# Altium PCB PCB1.PcbDoc (part 1 of 2) (continued)
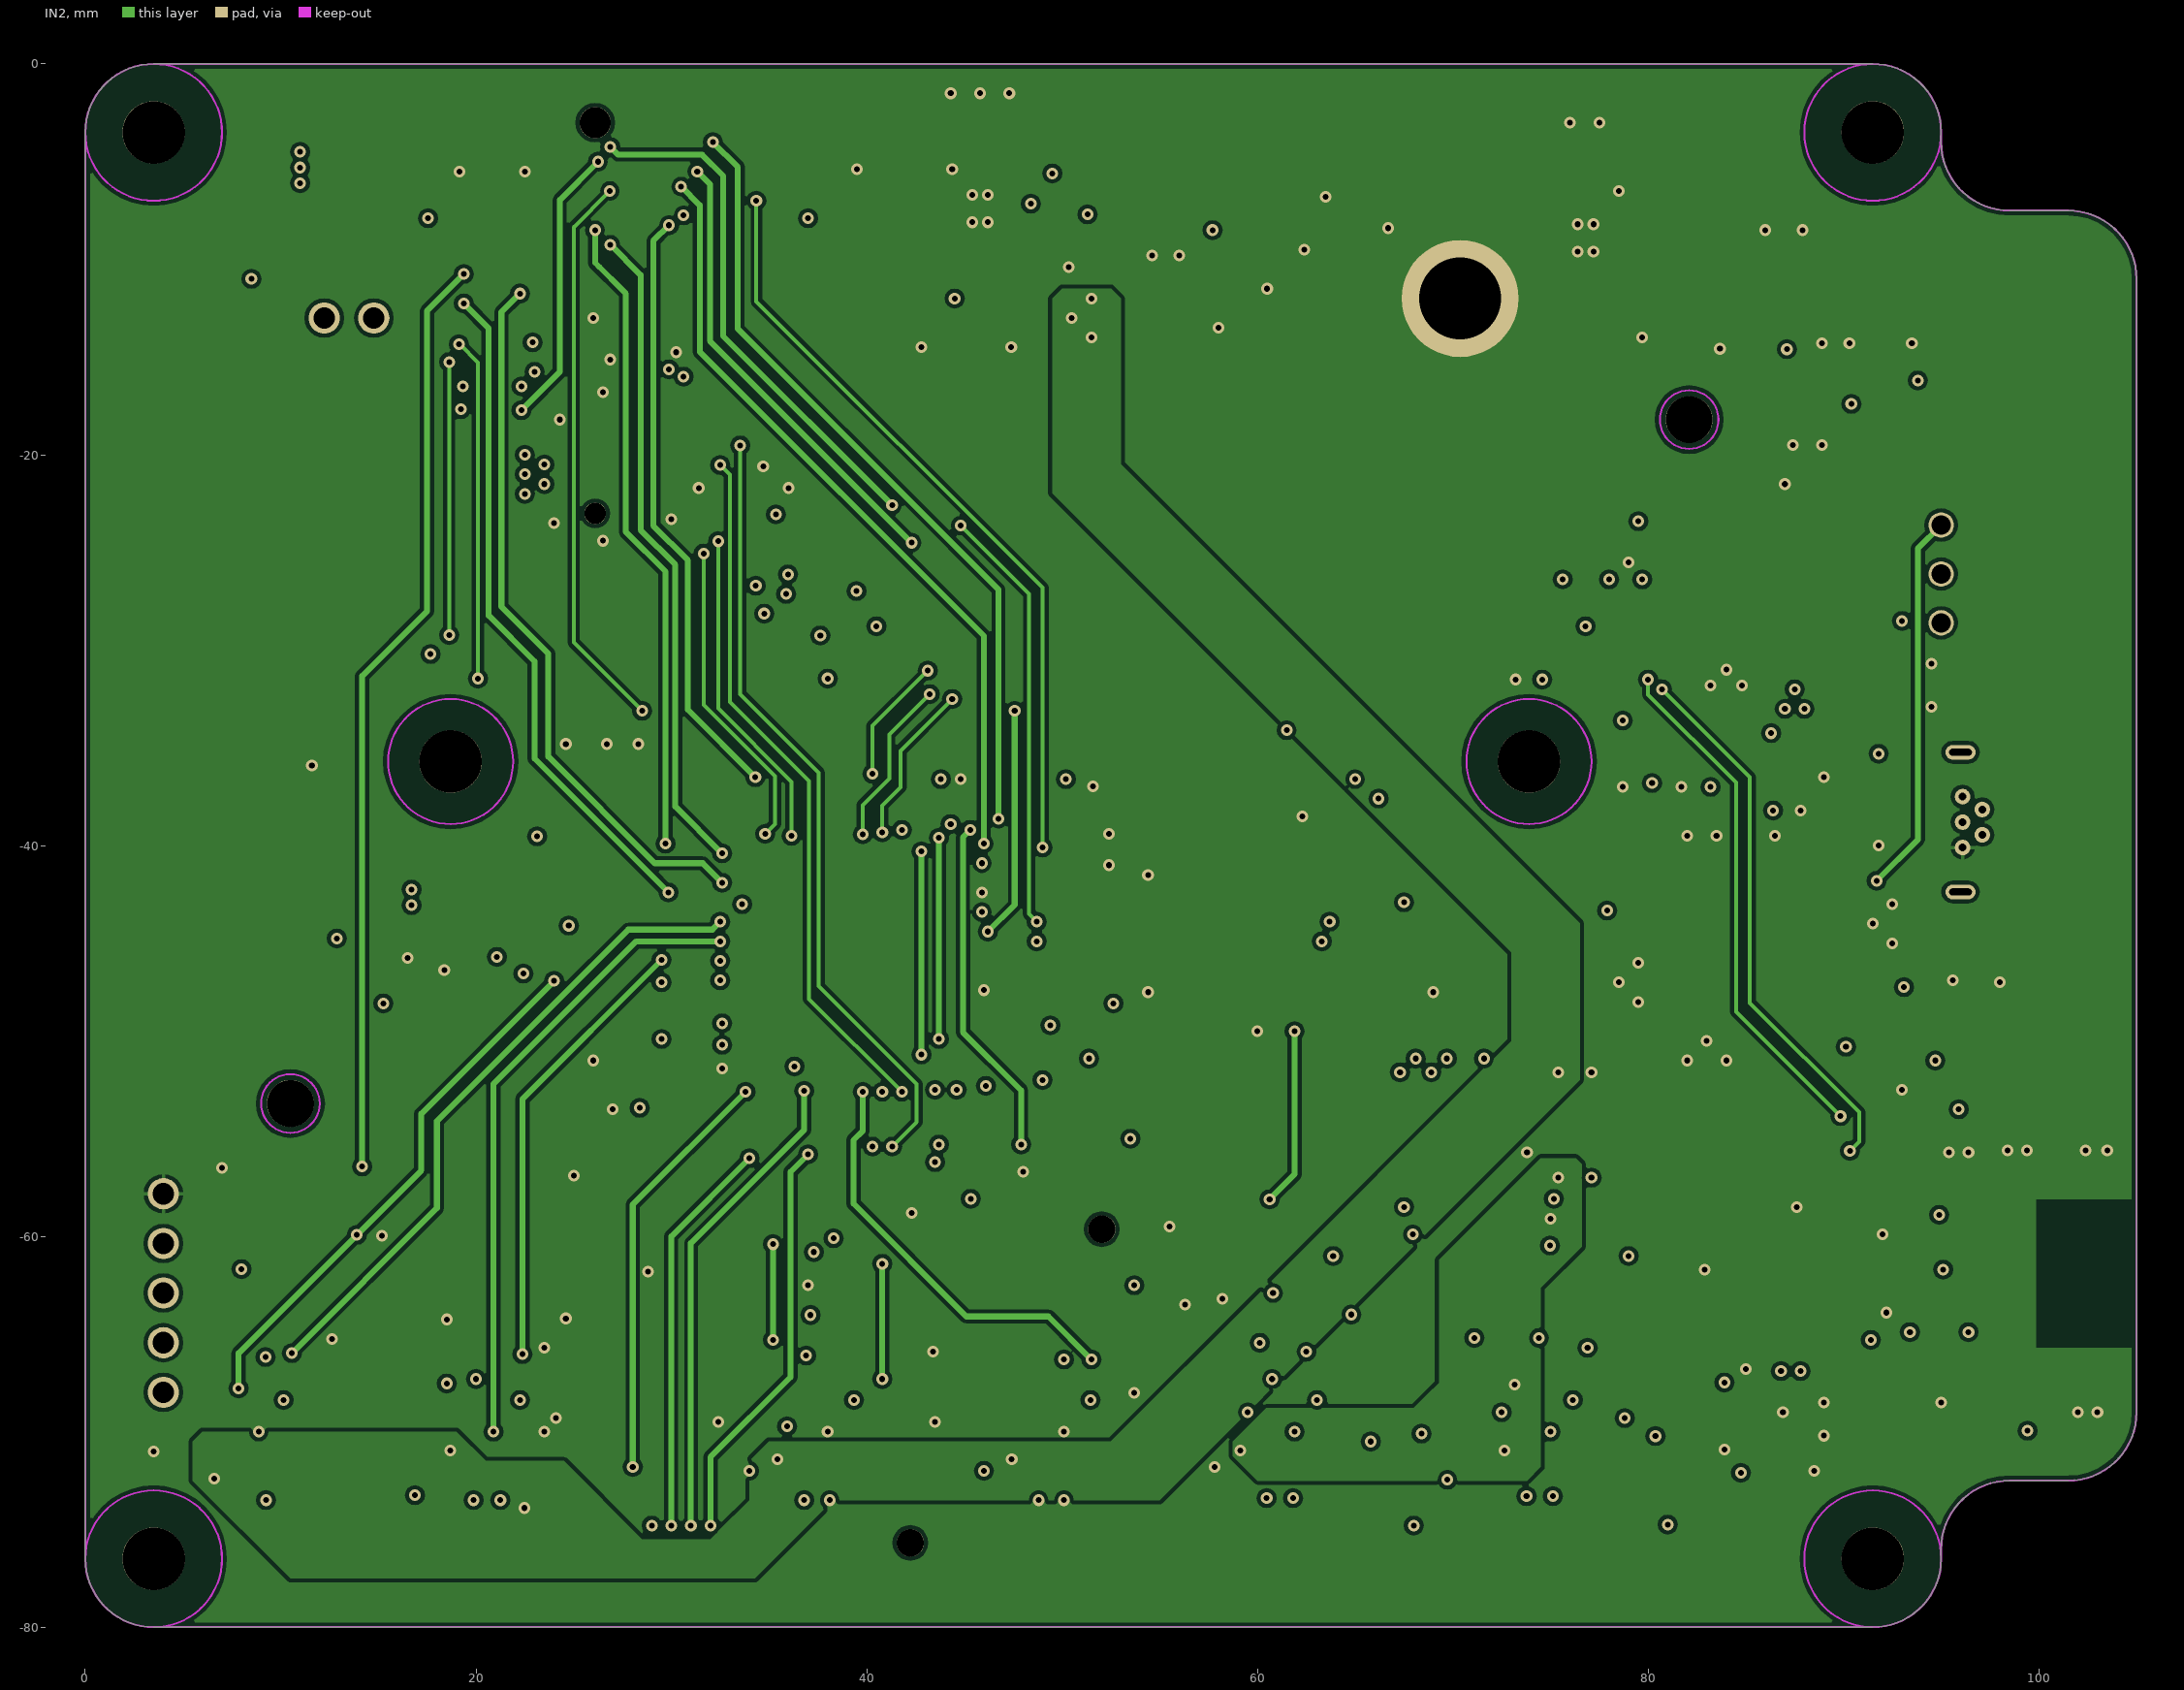
[diagram p3: IN2]
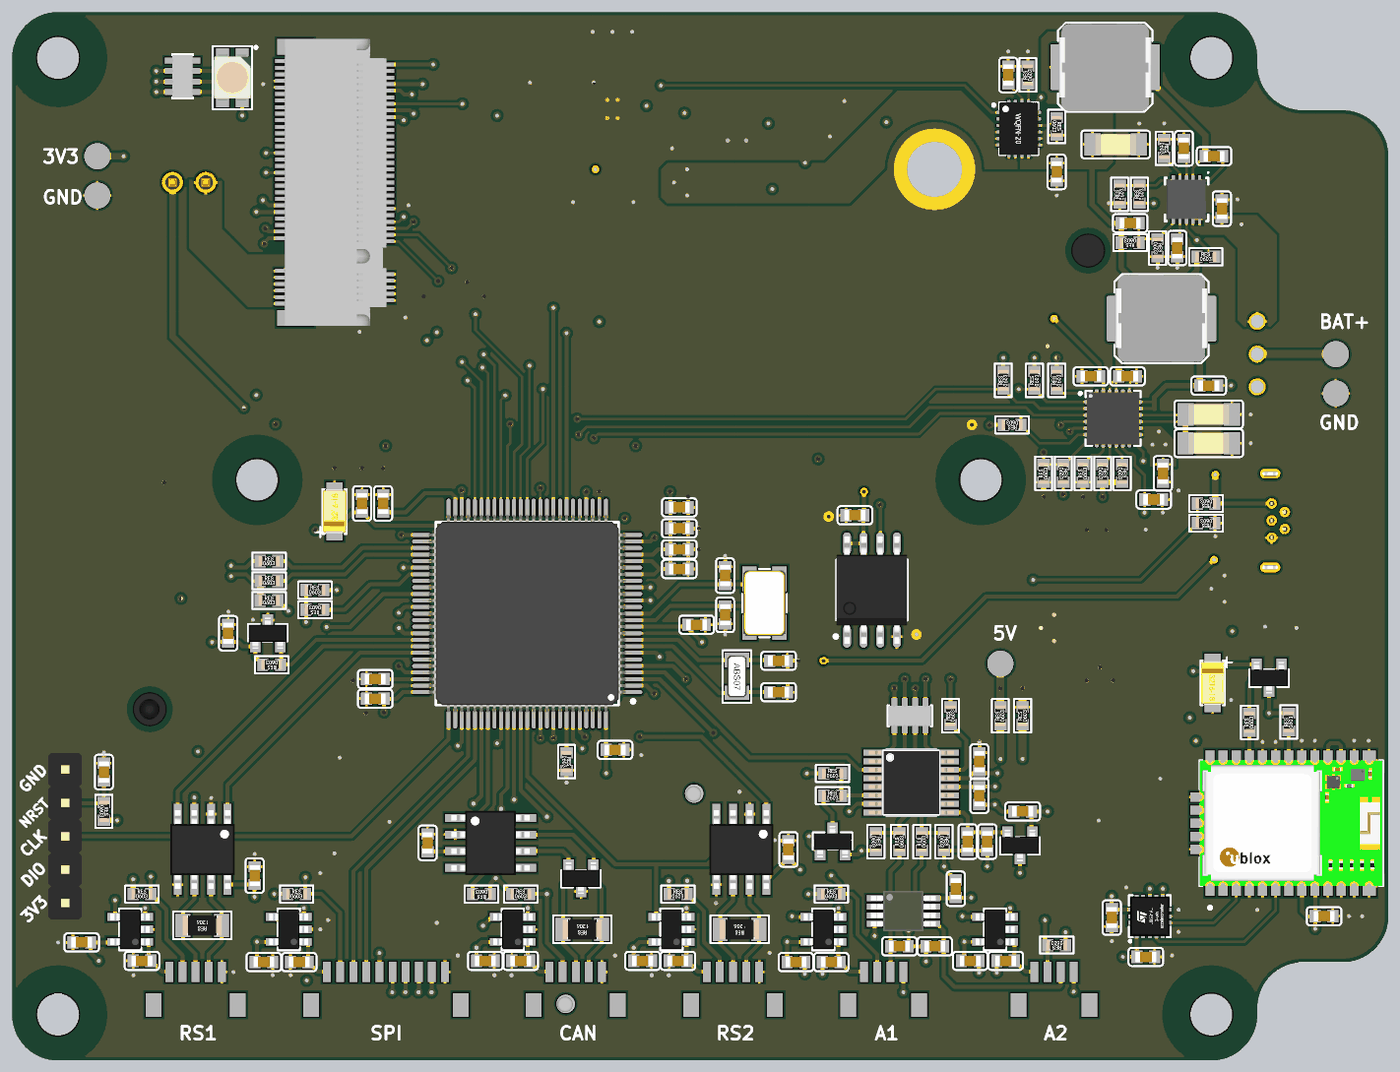
[diagram p5: 3D render of the assembled board from above, using the file's embedded part models]
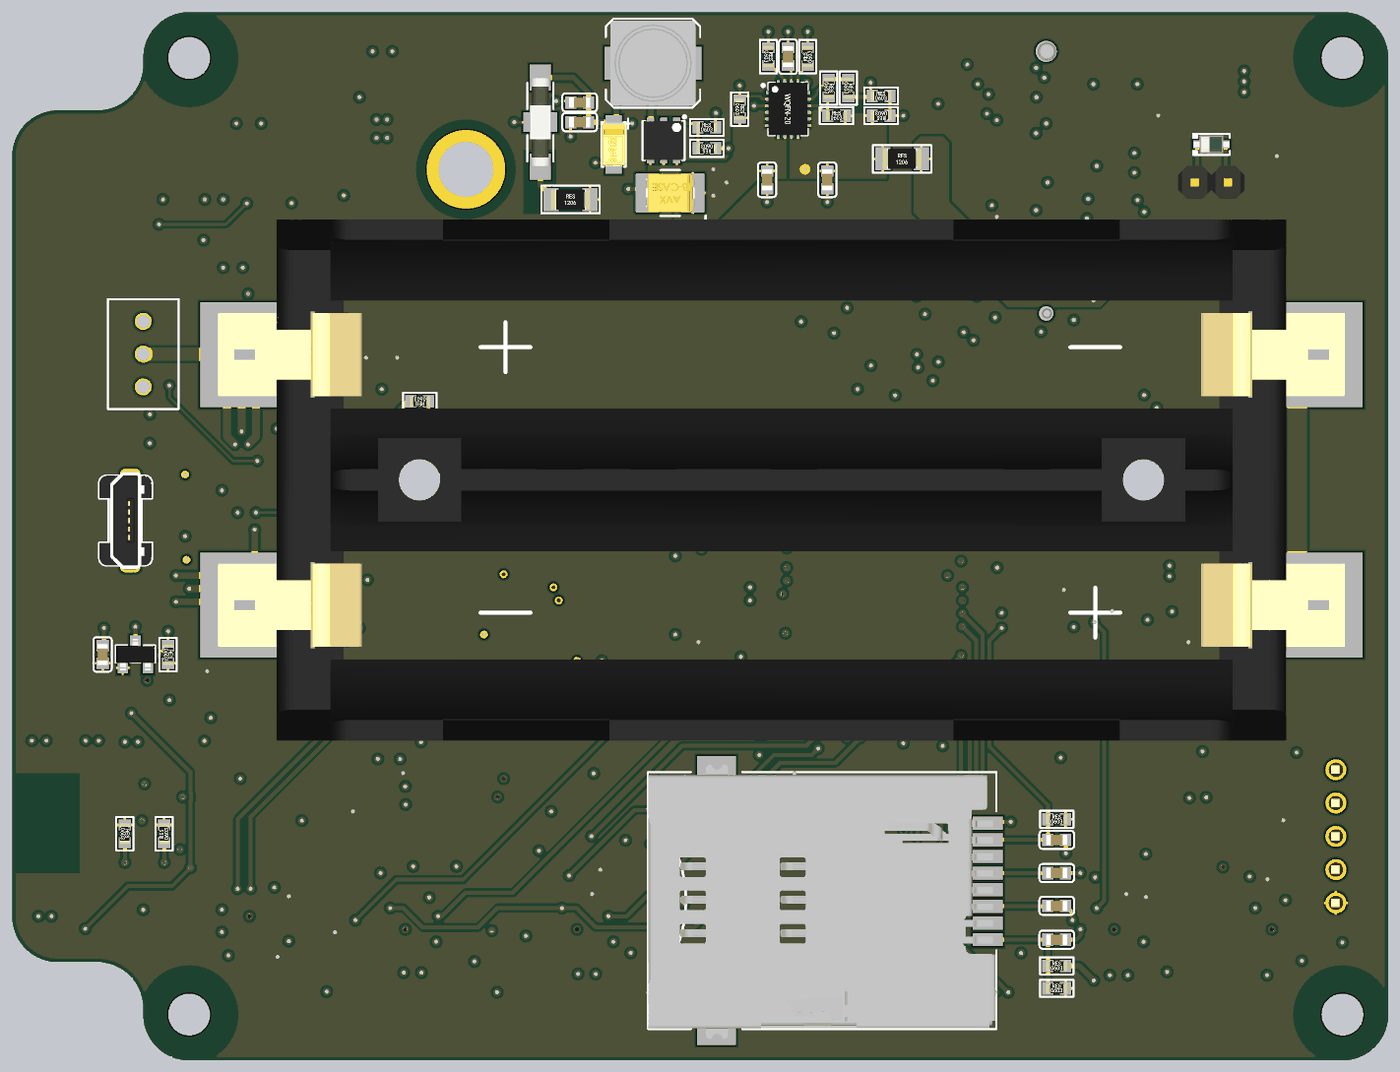
[diagram p6: 3D render of the assembled board from below, using the file's embedded part models]

## Layer stack, top to bottom
Top Solder: solder mask 0.01, Solder Resist, Dk 3.5
Top Layer: signal copper 0.035
Dielectric 1: prepreg 0.09, FR-4, Dk 4.2
IN1: signal copper 0.035
Dielectric 3: core 1.2, Dk 4.2
IN2: signal copper 0.035
Dielectric 2: prepreg 0.09, Dk 4.2
Bottom Layer: signal copper 0.035
Bottom Solder: solder mask 0.01, Solder Resist, Dk 3.5

## Board outline
3.5,-80 cw(c3.5,-76.5) 0,-76.5 0,-3.5 cw(c3.5,-3.5) 3.5,0 91.5,0 cw(c91.5,-3.5) 95,-3.5 95,-4 ccw(c98.5,-4) 98.5,-7.5 101.5,-7.5 cw(c101.5,-11) 105,-11 105,-69 cw(c101.5,-69) 101.5,-72.5 98.5,-72.5 ccw(c98.5,-76) 95,-76 95,-76.5 cw(c91.5,-76.5) 91.5,-80

## Design rules (kind name [scope] priority, off if disabled: settings)
Clearance Clearance_ModulePad [All vs (InNamedUnion('DirectConnect'))] p1: gap=0.2 except(0.8: SMDPad-Poly THPad-Poly)
Clearance [All] p2: gap=0.2
ComponentClearance [All] p1 off: gap=0.254 collisioncheckmode=3 verticalgap=0.254 showdistances=FALSE
DiffPairsRouting [All] p1: maxlimit=0.5 minlimit=0.2 mostfreqgap=0.2 toplayer_minwidth=0.2 toplayer_maxwidth=0.5 toplayer_prefwidth=0 midlayer1_minwidth=0.2 midlayer1_maxwidth=0.5 midlayer1_prefwidth=0 midlayer2_minwidth=0.2 midlayer2_maxwidth=0.5 midlayer2_prefwidth=0 bottomlayer_minwidth=0.2 bottomlayer_maxwidth=0.5 bottomlayer_prefwidth=0 maxuncoupledlength=12.7
HoleSize [All] p1: absolutevalues=TRUE maxlimit=5 minlimit=0.3 maxpercent=80.000 minpercent=20.000
MinimumSolderMaskSliver [All] p1: minsoldermaskwidth=0.15
PolygonConnect PolygonToVia [All vs IsVia] p1: connectstyle=Direct reliefconductorwidth=0.2 reliefentries=4 polygonreliefangle="90 Angle" airgapwidth=0.2
PolygonConnect PolygonToModulePad [All vs (InNamedUnion('DirectConnect'))] p2: connectstyle=Direct reliefconductorwidth=0.2 reliefentries=4 polygonreliefangle="90 Angle" airgapwidth=0.2
PolygonConnect PolygonToPad [All] p3: connectstyle=Relief reliefconductorwidth=0.2 reliefentries=4 polygonreliefangle="90 Angle" airgapwidth=0.2
RoutingVias [All] p1: holewidth=0.3 width=0.7 viastyle="Through Hole" minholewidth=0.3 minwidth=0.6 maxholewidth=1 maxwidth=1.5
SolderMaskExpansion [All] p1: expansion=0.102
Width [All] p1: maxlimit=2 minlimit=0.2 preferedwidth=0.3
26 further rules are at their usual default settings.

## Classes and differential pairs
component class Sheet6: C43 C44 C45 C46 C47 C48 C49 C50 C51 C52 C53 C54 C55 C68 C69 C70 C71 C72 C? DA13 DA14 DA15 DA16 L2 L3 R39 R40 R41 R42 R43 R44 R45 R46 R47 R48 R49 R50 R51 R52 R53 R54 R55 R56 R57 R58 R59 R60 R61 R62 R63 R64 VD3 XP2
component class Sheet5: C30 C31 C32 C33 C35 C36 C41 C66 C67 DA10 DA11 DA12 DD5 DD6 DD7 R26 R27 R29 R30 R32 R33 R37 VT2 X3 X4 X5 X6 X7 XS8
component class Sheet4: C56 C57 C58 C59 C60 C61 C62 C63 C64 C65 DA5 DA6 DA7 DA8 DA9 R18 R19 R20 R21 R22 R23 R24 R25 R34 R35 R36 R38 R67 XS2 XS3 XS4 XS5 XS6 XS7
component class Sheet1: BQ1 BQ2 C1 C2 C3 C4 C5 C6 C7 C8 C9 C10 C11 C12 C13 C14 C15 C16 C17 C18 C19 C20 DD1 DD2 R1 R4 R5 R6 R31 VD1 X1
component class Sheet2: C21 C22 C23 C24 C25 C26 C27 C28 C29 C34 C37 C38 C39 C40 C42 DA1 DA2 DA3 DA4 DD3 DD4 FB1 FB2 L1 R2 R3 R7 R8 R9 R10 R11 R12 R13 R14 R15 R16 R28 SA1 VD2 VT1 X2 XP1 Z1
component class Sheet3: R17 R65 R66 XS1
differential pair USB: +USB_P -USB_N
differential pair USB_D: +USB_D_P -USB_D_N

## Components (designator, comment, footprint, x,y, rotation, side; value= is the part's Value field where it differs from the comment)
BQ1 "Quarz" CRYSTAL_0532 57.4,-45.1 r270 top
BQ2 "ABS07" ABS07 55.3,-50.7 r270 top
C1 "C_el" "CASE A" 24.6,-38.1 r90 top
C2 "C" С0603 54.4,-43 r90 top
C3 "C" С0603 50.9,-39.4 r0 top
C4 "C" С0603 31.7,-63.4 r90 top
C5 "C" С0603 50.9,-41 r0 top
C6 "C" С0603 54.4,-46 r270 top
C7 "C" С0603 46,-56.3 r0 top
C8 "C" С0603 27.7,-52.4 r180 top
C9 "C" С0603 26.7,-37.5 r90 top
C10 "C" С0603 50.9,-37.8 r0 top
C11 "C" С0603 50.9,-42.5 r0 top
C12 "C" С0603 52.225,-46.75 r0 top
C13 "C" С0603 27.7,-50.9 r180 top
C14 "C" С0603 25.3,-63.165 r180 bottom
C15 "C" С0603 25.3,-65.705 r180 bottom
C16 "C" С0603 28.3,-37.5 r90 top
C17 "C" С0603 25.3,-68.2 r180 bottom
C18 "C" С0603 25.3,-70.785 r180 bottom
C19 "C" С0603 58.475,-49.5 r0 top
C20 "C" С0603 58.475,-51.9 r0 top
C21 "C" С0603 18.5,-65.9 r90 top
C22 "C" С0603 59.235,-63.9 r90 top
C23 "C" С0603 71.999,-66.9 r90 top
C24 "C_el" "CASE B" 54.8,-13.8 r0 bottom
C25 "C" С0603 73.8,-59.8 r270 top
C26 "C_el" "CASE A" 59.1,-10.1 r270 bottom
C27 "C" С0603 61.7,-8.4 r0 bottom
C28 "C" С0603 74.4,-63.301 r270 top
C29 "C" С0603 73.8,-57.2 r90 top
C30 "100n" С0603 86.5,-72.1 r0 top
C31 "C" С0603 83.9,-69.1 r270 top
C32 "C" С0603 100.1,-69 r0 top
C33 "C" С0603 64.3,-38.4 r180 top
C34 "C" С0603 7,-57.995 r90 top
C35 "C" С0603 98.1,-49.025 r90 bottom
C36 "C" С0603 16.475,-47.4 r90 top
C37 "C" С0603 70.4,-71.3 r180 top
C38 "C" С0603 67.7,-71.3 r0 top
C39 "C" С0603 72.9,-63.3 r270 top
C40 "C" С0603 61.7,-6.9 r0 bottom
C41 "C_el" "CASE A" 91.6,-51.2 r270 top
C42 "C" С0603 77.1,-61 r180 top
C43 "C" С0603 92.3,-15 r90 top
C44 "C" С0603 89.4,-10.4 r90 top
C45 "C" С0603 88.9,-18 r270 top
C46 "C" С0603 91.7,-11 r180 top
C47 "C" С0603 85.3,-16.1 r0 top
C48 "C" C1206 84.2,-10.1 r0 top
C49 "C" С0603 87.1,-37.2 r0 top
C50 "C" С0603 85.1,-27.8 r0 top
C51 "C" С0603 91.3,-28.5 r180 top
C52 "C" С0603 87.8,-35.2 r90 top
C53 "C" С0603 82.3,-27.8 r0 top
C54 "C" C1206 91.3,-30.7 r0 top
C55 "C" C1206 91.3,-32.9 r0 top
C56 "C" С0603 5.3,-71 r0 top
C57 "C" С0603 48.1,-72.4 r180 top
C58 "C" С0603 36.1,-72.4 r180 top
C59 "C" С0603 9.9,-72.4 r180 top
C60 "C" С0603 62.5,-72.5 r180 top
C61 "C" С0603 75.8,-72.4 r180 top
C62 "C" С0603 59.8,-72.5 r180 top
C63 "C" С0603 73.1,-72.4 r180 top
C64 "C" С0603 50.8,-72.4 r180 top
C65 "C" С0603 38.8,-72.4 r180 top
C66 "C" С0603 19.2,-72.5 r180 top
C67 "C" С0603 21.9,-72.5 r0 top
C68 "C" С0603 79.7,-12.2 r270 top
C69 "C" С0603 42.8,-12.8 r270 bottom
C70 "C" С0603 45.8,-3.4 r90 bottom
C71 "C" С0603 76,-4.8 r90 top
C72 "C" С0603 47.4,-12.8 r270 bottom
DA1 "LTC2064" MSOP8 68.001,-68.6 r0 top
DA2 "ST1S06A" DFN6 55.3,-9.8 r0 bottom
DA3 "ADS1220" TSSOP-16 68.6,-58.8 r0 top
DA4 "MAX6102EUR+" SOT-23 76.9,-63.599 r0 top
DA5 "STMPS2151" SOT-23-5 9,-70 r180 top
DA6 "STMPS2151" SOT-23-5 50.3,-70 r180 top
DA7 "STMPS2151" SOT-23-5 38.2,-70 r180 top
DA8 "STMPS2151" SOT-23-5 61.9,-70 r180 top
DA9 "STMPS2151" SOT-23-5 75,-70 r180 top
DA10 "STMPS2151" SOT-23-5 21.1,-70 r180 top
DA11 "DRV5032FA" SOT-23 95.6,-49.025 r0 bottom locked
DA12 "DRV5032FA" SOT-23 19.5,-47.4 r180 top
DA13 "LT8609AEDDM" SON-10 89.6,-14.3 r270 top
DA14 "TPS25942x" WQFN-20 45.8,-7.4 r180 bottom
DA15 "TPS25942x" WQFN-20 76.8,-8.9 r0 top
DA16 "BQ25887" VQFN-24 84,-31 r0 top
DD1 "SN65HVD234D" SOIC8 36.5,-63.4 r0 top
DD2 "STM32F207VCTx" LQFP100 39.3,-45.9 r180 top locked
DD3 "ADM3485" SOIC8 14.535,-63.9 r270 top
DD4 "ADM3485" SOIC8 55.635,-63.9 r270 top
DD5 "CAM-M8Q" CAM-M8Q 97.1,-61.9 r270 top locked
DD6 "LIS3DH" LGA-16 86.8,-69 r90 top
DD7 "W25Q64" SOIC8_208 65.6,-44.1 r90 top
FB1 "BLM18PG181SN1D" R0603 75.4,-53.7 r90 top
FB2 "BLM18PG181SN1D" R0603 77.1,-53.7 r90 top
L1 "6.8мк" IND_6.5X6.5 56.1,-3.9 r90 bottom
L2 "2.2мк" IND_6.5X6.5_VISHAY 83.4,-4.2 r0 top
L3 "1мк" IND_6.5X6.5_VISHAY 87.7,-23.4 r180 top
R1 "R" R0603 35.8,-67.3 r180 top
R2 "RES_4" CAT16 13,-4.9 r180 top
R3 "RES_4" CAT16 68.5,-53.7 r90 top
R4 "R" R0603 25.3,-72.785 r180 bottom
R5 "R" R0603 42.3,-57.2 r270 top
R6 "R" R0603 25.3,-74.5 r180 bottom
R7 "R" R0603 62.6,-58.1 r0 top
R8 "R" R0603 62.601,-59.8 r0 top
R9 "R" R0603 67.701,-63.3 r90 top
R10 "R" R0603 69.401,-63.3 r90 top
R11 "R" R0603 71.101,-63.3 r270 top
R12 "R" R0603 65.901,-63.3 r270 top
R13 "R" R0603 52,-10.4 r0 bottom
R14 "R" R0603 52,-8.8 r180 bottom
R15 "R" R0603 71.6,-53.7 r90 top
R16 "R" R1206 62.4,-14.3 r180 bottom
R17 "R" R1206 37.1,-11.2 r180 bottom
R18 "R" R0603 9.9,-67.3 r0 top
R19 "R" R0603 50.8,-67.3 r0 top
R20 "R" R0603 38.8,-67.3 r0 top
R21 "R" R1206 14.5,-69.7 r180 top
R22 "R" R1206 55.5,-70 r180 top
R23 "R" R1206 43.5,-70 r180 top
R24 "R" R0603 62.5,-67.3 r0 top
R25 "R" R0603 79.7,-71.2 r180 top
R26 "R" R0603 97.4,-54.175 r90 top
R27 "R" R0603 21.7,-67.3 r0 top
R28 "R" R0603 7,-60.995 r270 top
R29 "R" R0603 93.1,-49.025 r270 bottom
R30 "R" R0603 19.8,-49.8 r180 top
R31 "R" R0603 25.3,-61.6 r180 bottom
R32 "R" R0603 93.4,-62.7 r90 bottom
R33 "R" R0603 96.4,-62.7 r270 bottom
R34 "R" R0603 19.6,-41.9 r0 top
R35 "R" R0603 91.1,-37.5 r180 top
R36 "R" R0603 91.1,-39 r180 top
R37 "R" R0603 94.4,-54.2 r90 top
R38 "R" R0603 19.6,-43.4 r0 top
R39 "R" R0603 42.1,-7.9 r180 bottom
R40 "R" R0603 41.2,-5.8 r270 bottom
R41 "R" R0603 87.9,-10.4 r270 top
R42 "R" R0603 87.4,-18 r270 top
R43 "R" R0603 85.3,-17.6 r180 top
R44 "R" R0603 91.075,-18.675 r0 top
R45 "R" R0603 78,-28.1 r90 top
R46 "R" R0603 76.3,-31.5 r180 top
R47 "R" R0603 79.7,-28.1 r90 top
R48 "R" R0603 81.7,-35.2 r90 top
R49 "R" R0603 83.2,-35.2 r270 top
R50 "EWTF03-103H3T-N" R0603 73.9,-29.7 r0 bottom
R51 "R" R0603 78.7,-35.2 r90 top
R52 "R" R0603 84.7,-35.2 r270 top
R53 "R" R0603 80.2,-35.2 r270 top
R54 "R" R0603 86,-13.9 r90 top
R55 "R" R0603 84.5,-13.9 r90 top
R56 "R" R0603 75.625,-28.1 r90 top
R57 "R" R0603 42.7,-5.8 r270 bottom
R58 "R" R0603 79.7,-8.725 r270 top
R59 "R" R0603 77.5,-4.8 r90 top
R60 "R" R0603 49.5,-7.4 r270 bottom
R61 "R" R0603 38.7,-6.4 r180 bottom
R62 "R" R0603 44.3,-3.4 r90 bottom
R63 "R" R0603 38.7,-7.9 r0 bottom
R64 "R" R0603 47.3,-3.4 r270 bottom
R65 "R" R0603 23.1,-45.6 r180 top
R66 "R" R0603 23.1,-44.1 r0 top
R67 "R" R0603 19.6,-44.9 r0 top
SA1 "8BS81" SMTS-102 95,-26.1 r90 bottom locked
VD1 "NUP2105L" SOT-23 43.4,-66.1 r0 top
VD2 "FYLS-3528RGBC" LED_RGB 16.8,-5 r270 top locked
VD3 "PMEG1020EJ" SOD323F 13.5,-10.1 r180 bottom
VT1 "IRLML2030" SOT-23 62.6,-63.299 r180 top
VT2 "IRLML9303" SOT-23 95.9,-50.8 r0 top
X1 "SIM_CARD" SIM_CARD_READER2 41.3,-67.8 r0 bottom locked
X2 "18650" 18650_HOLDER 46.3,-35.7 r180 bottom locked
X3 "Test point" Test_point#1 6.5,-11 r0 top
X4 "Test point" Test_point#1 75.4,-49.725 r0 top
X5 "Test point" Test_point#1 101,-26.1 r0 top
X6 "Test point" Test_point#2 101,-29.3 r0 top
X7 "Test point" Test_point#1 6.5,-14 r0 top
XP1 "5pin" PLS-5 4,-62.9 r90 top
XP2 "PLS-2" PLS-2 13.5,-13 r0 bottom
XS1 "M.2" M.2 24.6,-13 r90 top locked
XS2 "CI1105M1V" СI1105М1V 14,-74.5 r0 top locked
XS3 "CI1105M1V" СI1105М1V 55,-74.5 r0 top locked
XS4 "CI1105M1V" СI1105М1V 43,-74.5 r0 top locked
XS5 "СI1104М1V" СI1104М1V 66.5,-74.5 r0 top locked
XS6 "СI1104М1V" СI1104М1V 79.5,-74.5 r0 top
XS7 "USB3145-30-1-A" USB3145-30-1 96.1,-38.8 r270 bottom
XS8 "СI1110М1V" СI1110М1V 28.525,-74.5 r0 top locked
Z1 "NFE61PT472C1H9" NFE61P 64.7,-8.4 r270 bottom

## Footprints (in the part's own frame and the unit in brackets; to place one, negate y for a bottom-side part, rotate by r counter-clockwise, add the part's x,y. Pads: shape width x height; smd on the part's side, far side on the other; paste and mask are expansions set on the pad)
18650_HOLDER [mm]
  round 2.4 hole 2.4 unplated: 0(-35.8,17.5) 0(35.8,-17.5)
  round 3.2 hole 3.2 unplated: 0(-27.6,0) 0(27.6,0)
  rect 10x8 smd: 1(-39.35,-9.55) 2(39.35,-9.55) 3(39.35,9.55) 4(-39.35,9.55)
  body extent -43,-19.89 43,19.89, height 14.93
ABS07 [mm] "32.768"
  rect 1.1x1.9 smd: 1(-1.25,0) 2(1.25,0)
  silkscreen extent -2,-1.1 2,1.1, body extent -1.61,-0.76 1.61,0.76, height 0.91
C1206 [mm] "Chip Capacitor, 2-Leads, Body 3,20x1,60mm, IPC Medium Density"
  rect 1.25x1.7 smd: 1(-1.775,0) 2(1.775,0)
  silkscreen extent -2.61,-1.06 2.61,1.06, body extent -1.6,-0.81 1.6,0.81, height 1.52
CAM-M8Q [mm]
  rect 1.5x0.7 smd: 1(4.8,-5.7) 2(4.8,-4.7) 3(4.8,-3.7) 4(4.8,-2.7) 5(4.8,-1.7) 6(4.8,-0.7) 7(4.8,0.3) 8(4.8,1.3) 9(4.8,2.3) 10(4.8,3.3) 11(4.8,4.3) 12(4.8,5.3) 15(-4.8,5.3) 16(-4.8,4.3) 17(-4.8,3.3) 18(-4.8,2.3) 19(-4.8,1.3) 20(-4.8,0.3) 21(-4.8,-0.7) 22(-4.8,-1.7) 23(-4.8,-2.7) 24(-4.8,-3.7) 25(-4.8,-4.7) 26(-4.8,-5.7)
  rect 1.5x1 smd: 13(4.8,6.45) 14(-4.8,6.45)
  rect 0.7x1.5 smd: 27(-2,-6.45) 28(-1,-6.45) 29(0,-6.45) 30(1,-6.45) 31(2,-6.45)
  Multi-Layer pour cut-out: -3.8,7.5 -3.8,2.75 3.8,2.75 3.8,7.5
  silkscreen extent -4.8,-6.5 6.55,7.5, body extent -4.81,-6.51 4.79,7.49, height 2.02
"CASE A" [mm]
  rect 1.6x1.25 smd: 1(-1.425,0) 2(1.425,0)
  silkscreen extent -1.73,-0.92 1.7,0.92, body extent -1.7,-0.9 1.7,0.9, height 1.8
"CASE B" [mm]
  rrect10% 1.8x3 smd mask+0.07: 1(-1.725,0) 2(1.725,0)
  silkscreen extent -0.75,-1.75 0.75,1.75, body extent -1.85,-1.46 1.85,1.47, height 2.03
CAT16 [mm] "Chip Array, Concave, 8-Leads, Pitch 0,80mm,  Body 3,20x1,55mm,  IPC Medium Density"
  rect 1x0.45 smd: 1(-0.85,1.2) 2(-0.85,0.4) 3(-0.85,-0.4) 4(-0.85,-1.2) 5(0.85,-1.2) 6(0.85,-0.4) 7(0.85,0.4) 8(0.85,1.2)
  silkscreen extent -0.8,-1.7 0.8,1.7, body extent -0.78,-1.6 0.78,1.6, height 0.49
CRYSTAL_0532 [mm]
  rect 1.9x1.1 smd: 0(-1.85,1.15) 0(1.85,-1.15) 1(-1.85,-1.15) 2(1.85,1.15)
  silkscreen extent -2.6,-1.7 2.6,1.7, body extent -2.5,-1.6 2.5,1.6, height 1
DFN6 [mm]
  rect 0.55x0.7 smd: 1(-1,-1.4) 2(0,-1.4) 3(1,-1.4) 4(1,1.4) 5(0,1.4) 6(-1,1.4)
  rrect20% 2.5x1.55 smd: 2(0,0)
  silkscreen extent -1.7,-1.9 1.6,1.5, body extent -1.5,-1.5 1.5,1.5, height 0.85
IND_6.5X6.5 [mm]
  rect 2.5x1.8 smd: 1(0,2.8) 2(0,-2.8)
  silkscreen extent -3.4,-3.6 3.4,3.6, body extent -3.25,-3.25 3.25,3.25, height 4.8
IND_6.5X6.5_VISHAY [mm]
  rrect10% 2.5x3.5 smd mask+0.07: 1(-2.925,0) 2(2.925,0)
  silkscreen extent -3.6,-3.4 3.6,3.4, body extent -3.54,-3.37 3.54,3.3, height 2.89